# Altium PCB 191015 PCB (REV0-1).PcbDoc (part 2 of 2)
Units mm, origin at the board's own origin, x right, y up, seen from the top; angles counter-clockwise.
Board outline 152.5 x 105 mm, 4 copper layers (Top Copper, Signal Layer 1 (GND), Signal Layer 2 (PWR), Bottom Copper), stack 1.464 mm thick; 170 components, 139 nets, 634 pads, 350 vias.
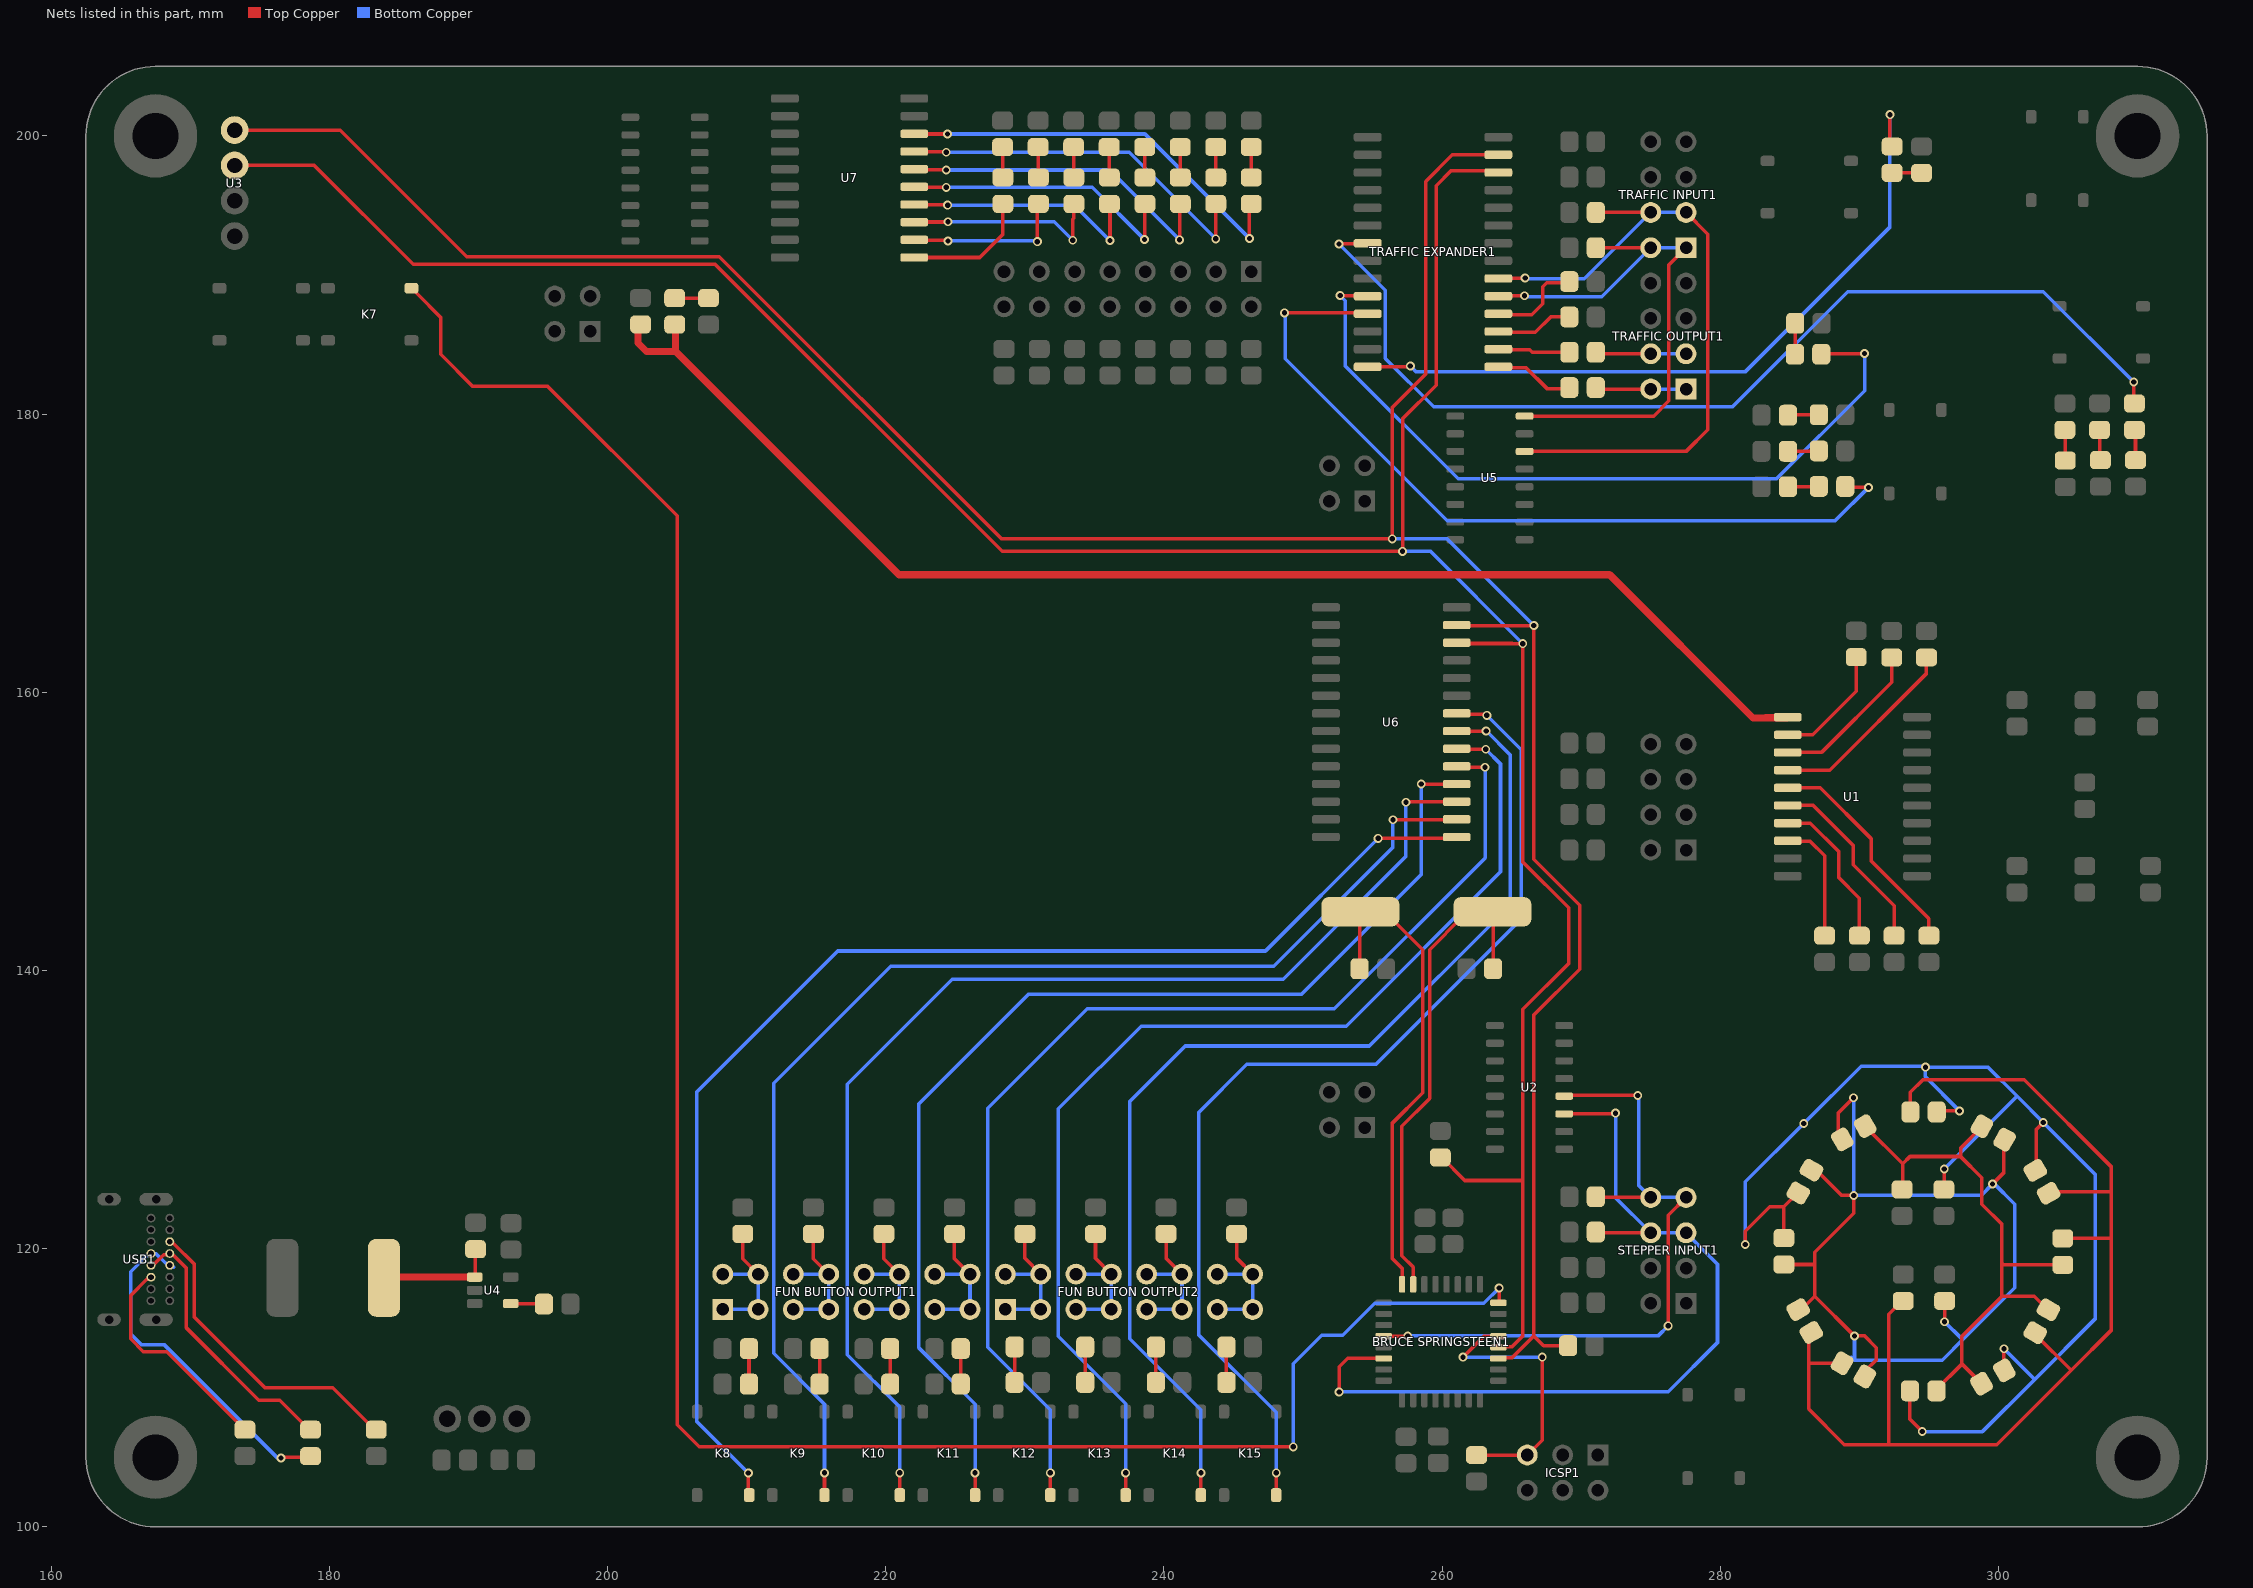
[diagram p4: the nets of this part, all layers, seen from the top]

## Via types
v1: diameter 0.635, hole 0.381, Top Copper to Bottom Copper, tented both sides, 335 vias
v2: diameter 0.635, hole 0.381, Top Copper to Bottom Copper, 15 vias

## Nets (pads, with @x,y where several pads share a name; then routed paths per layer and width w, separated by ;. In a path a pad name is that pad's centre, name@x,y a point inside that pad or via, vN(x,y) a via of type N, cw(c..) or ccw(c..) an arc to the next point about the centre after c; other vN are vias at no path point) (continued)
"NetBRUCE SPRINGSTEEN1_32": "BRUCE SPRINGSTEEN1.32" K7.4 | length 162
  Top Copper w0.254: K7.4@185.9,189.05 185.992,189.05 186.236,188.807 186.236,188.714 188,186.95 188,184.3 190.312,181.988 195.712,181.988 205,172.7 205,110.1 205,107.35 206.6,105.75 v1(249.3,105.75) ; 264.048,116.109 264.1,116.057 v1(264.1,117.175)
  Bottom Copper w0.254: v1(249.3,105.75) 249.3,111.725 251.35,113.775 252.85,113.775 255.15,116.075 263,116.075 v1(264.1,117.175)
NetC7_2: C7.2 F1.2 U4.1 | length 8.6
  Top Copper w0.254: U4.1@190.482,117.982 C7.2@190.482,119.93
  Top Copper w0.508: F1.2@183.925,117.9 183.975,117.95 U4.1@190.45,117.95 U4.1@190.482,117.982 ; C7.2@190.482,119.93 C7.2@190.514,119.962
NetC9_2: C9.2 U4.4 | length 2.4
  Top Copper w0.254: U4.4@193.04,116.05 195.39,116.05 C9.2@195.425,116.015
NetD9_K: D9.K R27.2 | length 2.2
  Top Copper w0.254: D9.K@309.774,178.866 309.851,178.789 R27.2@309.851,176.692
NetD10_K: D10.K R28.2 | length 2.2
  Top Copper w0.254: D10.K@307.274,178.866 307.274,176.745 R28.2@307.326,176.692
NetD11_K: D11.K R29.2 | length 2.2
  Top Copper w0.254: D11.K@304.774,178.866 304.801,178.839 R29.2@304.801,176.667
NetD12_K: D12.K R30.2 | length 2.2
  Top Copper w0.254: D12.K@285.362,184.305 285.375,184.318 285.375,186.518 R30.2@285.387,186.53
NetD13_K: D13.K R31.2 | length 2.2
  Top Copper w0.254: R31.2@284.863,174.774 287.056,174.774 D13.K@287.087,174.805
NetD14_K: D14.K R32.2 | length 2.2
  Top Copper w0.254: R32.2@284.863,177.324 287.056,177.324 D14.K@287.087,177.355
NetD15_K: D15.K R33.2 | length 2.2
  Top Copper w0.254: R33.2@284.863,179.924 284.894,179.955 D15.K@287.087,179.955
NetD16_K: D16.K R34.2 | length 2.1
  Top Copper w0.254: D16.K@292.349,197.341 R34.2@294.474,197.341
NetD17_K: D17.K R39.2 | length 2.5
  Top Copper w0.254: R39.2@244.492,110.383 D17.K@244.492,112.933
NetD18_K: D18.K R40.2 | length 2.5
  Top Copper w0.254: R40.2@239.418,110.383 D18.K@239.418,112.933
NetD19_K: D19.K R41.2 | length 2.5
  Top Copper w0.254: R41.2@234.344,110.383 D19.K@234.344,112.933
NetD20_K: D20.K R42.2 | length 2.5
  Top Copper w0.254: R42.2@229.269,110.383 D20.K@229.269,112.933
NetD21_K: D21.K R43.2 | length 2.5
  Top Copper w0.254: R43.2@225.394,110.264 D21.K@225.394,112.814
NetD22_K: D22.K R44.2 | length 2.5
  Top Copper w0.254: R44.2@220.32,110.264 D22.K@220.32,112.814
NetD23_K: D23.K R45.2 | length 2.5
  Top Copper w0.254: R45.2@215.245,110.264 D23.K@215.245,112.814
NetD24_K: D24.K R46.2 | length 2.5
  Top Copper w0.254: R46.2@210.171,110.264 D24.K@210.171,112.814
NetD25_K: D25.K R55.1 | length 2.2
  Top Copper w0.254: D25.K@228.402,199.201 228.402,197.038 R55.1@228.427,197.013
NetD26_K: D26.K R56.1 | length 2.2
  Top Copper w0.254: D26.K@230.956,199.201 230.956,197.034 R56.1@230.978,197.013
NetD27_K: D27.K R57.1 | length 2.2
  Top Copper w0.254: D27.K@233.511,199.201 233.511,197.031 R57.1@233.529,197.013
NetD28_K: D28.K R58.1 | length 2.2
  Top Copper w0.254: D28.K@236.065,199.201 236.065,197.027 R58.1@236.08,197.013
NetD29_K: D29.K R59.1 | length 2.2
  Top Copper w0.254: D29.K@238.62,199.201 238.631,199.19 R59.1@238.631,197.013
NetD30_K: D30.K R60.1 | length 2.2
  Top Copper w0.254: D30.K@241.174,199.201 241.174,197.02 R60.1@241.181,197.013
NetD31_K: D31.K R61.1 | length 2.2
  Top Copper w0.254: D31.K@243.729,199.201 243.729,197.016 R61.1@243.732,197.013
NetD32_K: D32.K R62.1 | length 2.2
  Top Copper w0.254: R62.1@246.283,197.013 D32.K@246.283,199.201
NetD33_A: D33.A D34.K D37.K D39.A D41.K D42.A R64.1 | length 97.1
  Top Copper w0.254: v1(281.8,120.3) 281.8,121.25 283.553,123.003 284.574,123.003 ; D42.A@284.574,120.762 284.574,123.003 ; D41.K@285.608,124.001 285.572,124.001 284.574,123.003 ; D33.A@293.638,109.774 293.638,107.737 v1(294.525,106.85) ; D39.A@295.562,129.826 295.636,129.9 v1(297.2,129.9) ; R64.1@296.074,124.262 296.1,124.288 v1(296.1,125.725) ; v1(300.4,112.8) 300.388,112.788 300.388,111.284 D34.K@300.425,111.246 ; D37.K@302.654,125.625 302.731,125.703 302.731,128.581 v1(303.225,129.075)
  Bottom Copper w0.254: v1(281.8,120.3) 281.8,124.8 v1(286,129) 290.125,133.125 294.675,133.125 v1(294.75,133.05) ; v1(294.525,106.85) 298.85,106.85 302.55,110.55 ; v1(296.1,125.725) 301.3,130.925 301.375,130.925 ; v1(297.2,129.9) 294.75,132.35 v1(294.75,133.05) ; v1(300.4,112.8) 302.55,110.65 302.55,110.55 ; v1(294.75,133.05) 299.25,133.05 301.375,130.925 ; 301.375,130.925 v1(303.225,129.075) 306.975,125.325 306.975,114.975 302.55,110.55
NetD33_K: D33.K D34.A D35.K D36.A D38.K D40.A R63.1 | length 43.1
  Top Copper w0.254: D40.A@290.42,128.804 290.47,128.754 290.47,128.75 293.12,126.1 ; R63.1@293.074,124.262 293.12,124.308 293.12,126.1 ; D33.K@295.538,109.774 295.538,109.874 297.375,111.711 ; D34.A@298.78,110.296 298.78,110.306 297.375,111.711 ; D38.K@298.801,128.792 298.801,128.755 297.275,127.229 297.275,126.625 ; D35.K@303.592,115.599 303.555,115.599 302.579,116.575 300.25,116.575 ; D36.A@304.626,118.838 300.362,118.838 300.25,118.95 ; 293.12,126.1 293.645,126.625 297.275,126.625 ; 297.275,126.625 298.8,125.1 298.8,123.2 300.25,121.75 300.25,118.95 ; 297.375,111.711 297.375,113.7 300.25,116.575 ; 300.25,116.575 300.25,118.95
NetD35_A: D35.A D36.K D37.A D39.K D43.K D44.A R65.1 | length 87.5
  Top Copper w0.254: D43.K@286.546,113.975 286.51,113.975 286.35,113.815 286.35,111.775 ; D44.A@288.754,111.758 288.737,111.775 286.35,111.775 ; 293.152,105.902 293.15,105.9 ; R65.1@293.152,116.238 293.052,116.238 292.1,115.286 292.1,105.925 292.125,105.9 ; D39.K@293.662,129.826 293.662,131.237 294.575,132.15 301.85,132.15 308.125,125.875 308.125,124.1 ; D35.A@302.642,113.954 302.642,113.833 305.225,111.25 ; D37.A@303.604,123.98 303.724,124.1 308.125,124.1 ; D36.K@304.626,120.738 308.112,120.738 308.125,120.725 ; 286.35,111.775 286.35,108.475 288.925,105.9 292.125,105.9 ; 292.125,105.9 293.15,105.9 ; 293.15,105.9 299.875,105.9 305.225,111.25 ; 305.225,111.25 308.125,114.15 308.125,120.725 ; 308.125,120.725 308.125,124.1
NetD38_A: D38.A D40.K D41.A D42.K D43.A D44.K R66.1 | length 76.4
  Top Copper w0.254: D42.K@284.574,118.862 286.787,118.862 ; D43.A@285.596,115.62 285.819,115.62 286.787,116.588 ; D41.A@286.558,125.646 286.742,125.829 288.746,123.825 v1(289.6,123.825) 289.6,122.55 286.787,119.737 286.787,118.862 ; D40.K@288.775,127.854 288.48,128.148 288.48,129.755 v1(289.575,130.85) ; D44.K@290.399,110.808 290.399,111.174 291.22,111.995 291.22,112.88 290.375,113.725 v1(289.65,113.725) 286.787,116.588 ; v1(296.125,114.75) R66.1@296.126,116.238 R66.1@296.126,116.238 ; v1(299.575,124.65) 300.396,125.471 300.396,127.792 D38.A@300.446,127.842 ; 286.787,116.588 286.787,118.862
  Bottom Copper w0.254: 289.425,112.175 289.625,111.975 ; v1(289.575,130.85) 289.6,130.825 v1(289.6,123.825) 298.75,123.825 v1(299.575,124.65) 299.645,124.72 301.175,123.19 301.175,117.2 297.512,113.537 ; v1(289.65,113.725) 289.65,112 289.625,111.975 ; v1(296.125,114.75) 297.338,113.537 297.512,113.537 ; 289.625,111.975 295.95,111.975 297.512,113.537
NetD45_A: D45.A R67.1 U1.11 | length 97.2
  Top Copper w0.508: R67.1@202.387,186.438 202.2,186.251 202.2,185.1 202.8,184.5 204.9,184.5 ; D45.A@204.826,186.438 204.9,186.364 204.9,184.5 ; U1.11@284.85,158.215 284.804,158.169 283.252,158.169 283.233,158.15 282.35,158.15 272.05,168.45 220.95,168.45 204.9,184.5
NetD45_K: D45.K R68.2 | length 2.4
  Top Copper w0.254: D45.K@204.826,188.338 R68.2@207.256,188.338
NetR7_2: R7.2 U1.12 | length 8.7
  Top Copper w0.254: U1.12@284.85,156.945 286.645,156.945 289.773,160.073 R7.2@289.773,162.524
NetR8_2: R8.2 U1.13 | length 11.3
  Top Copper w0.254: U1.13@284.85,155.675 287.275,155.675 292.325,160.725 R8.2@292.325,162.5
NetR9_2: R9.2 U1.14 | length 14
  Top Copper w0.254: U1.14@284.85,154.405 287.88,154.405 294.825,161.35 R9.2@294.825,162.5
NetR10_2: R10.2 U1.15 | length 16.2
  Top Copper w0.254: U1.15@284.85,153.135 287.19,153.135 290.841,149.484 290.841,147.894 295,143.734 R10.2@295,142.5
NetR11_2: R11.2 U1.16 | length 13.6
  Top Copper w0.254: U1.16@284.85,151.865 286.685,151.865 289.56,148.99 289.56,147.59 292.5,144.65 R11.2@292.5,142.5
NetR12_2: R12.2 U1.17 | length 11.2
  Top Copper w0.254: U1.17@284.85,150.595 286.48,150.595 288.519,148.556 288.519,146.681 290,145.2 R12.2@290,142.5
NetR13_2: R13.2 U1.18 | length 8.8
  Top Copper w0.254: U1.18@284.85,149.325 284.875,149.3 286.45,149.3 287.5,148.25 R13.2@287.5,142.5
NetR19_1: R19.1 USB1.A6 USB1.B6 | length 19.6
  Top Copper w0.254: USB1.B6@167.175,118.8 167.282,118.8 167.426,118.944 167.468,118.944 168.098,119.574 168.449,119.574 USB1.A6@168.525,119.65 168.632,119.65 168.776,119.506 168.817,119.506 169.725,118.598 169.725,114.3 174.925,109.1 176.436,109.1 178.549,106.987 R19.1@178.649,106.987
NetR19_2: R19.2 USB1.A7 USB1.B7 | length 25
  Top Copper w0.254: v1(176.525,104.95) 176.594,105.019 178.58,105.019 R19.2@178.649,105.087
  Bottom Copper w0.254: USB1.A7@168.632,118.8 USB1.A7@168.525,118.8 168.418,118.8 168.274,118.944 168.232,118.944 167.526,119.65 USB1.B7@167.175,119.65 167.068,119.65 166.924,119.506 166.883,119.506 165.71,118.333 165.71,113.865 166.5,113.075 168.151,113.075 176.276,104.95 v1(176.525,104.95) ; USB1.A7@168.776,118.656 168.817,118.656
NetR20_1: R20.1 USB1.A5 | length 22.7
  Top Copper w0.254: USB1.A5@168.525,120.5 168.632,120.5 168.776,120.356 168.817,120.356 170.3,118.873 170.3,115.074 175.374,110 180.255,110 183.268,106.987 R20.1@183.368,106.987
NetR22_1: R22.1 USB1.B5 | length 16.1
  Top Copper w0.254: USB1.B5@167.175,117.95 167.068,117.95 166.924,117.806 166.883,117.806 165.71,116.633 165.71,113.515 166.625,112.6 168.317,112.6 R22.1@173.93,106.987
NetR23_1: "TRAFFIC EXPANDER1.1" R23.1 | length 5.7
  Top Copper w0.254: 264.1,183.345 266.032,183.345 267.538,181.839 269.082,181.839 R23.1@269.149,181.906
NetR24_1: "TRAFFIC EXPANDER1.2" R24.1 | length 5.1
  Top Copper w0.254: 264.1,184.615 266.311,184.615 266.48,184.446 R24.1@269.149,184.446
NetR25_1: "TRAFFIC EXPANDER1.3" R25.1 | length 5.5
  Top Copper w0.254: 264.1,185.885 266.71,185.885 267.811,186.986 R25.1@269.149,186.986 R25.1@269.131,187.005
NetR26_1: "TRAFFIC EXPANDER1.4" R26.1 | length 6.7
  Top Copper w0.254: 264.1,187.155 266.455,187.155 267.225,187.925 267.225,189.145 267.534,189.455 269.078,189.455 R26.1@269.149,189.526
NetR55_2: R55.2 U7.11 | length 9.3
  Top Copper w0.254: U7.11@222.05,191.26 226.76,191.26 228.427,192.927 R55.2@228.427,195.113
NetR56_2: R56.2 U7.12 | length 11.6
  Top Copper w0.254: U7.12@222.05,192.53 222.09,192.49 224.435,192.49 v1(224.475,192.45) ; v1(230.9,192.4) 230.9,195.035 R56.2@230.978,195.113
  Bottom Copper w0.254: v1(224.475,192.45) 230.85,192.45 v1(230.9,192.4)
NetR57_2: R57.2 U7.13 | length 14.6
  Top Copper w0.254: U7.13@222.05,193.8 222.062,193.813 224.463,193.813 v1(224.475,193.825) ; v1(233.45,192.5) 233.45,194.003 233.529,194.082 R57.2@233.529,195.113
  Bottom Copper w0.254: v1(224.475,193.825) 232.125,193.825 v1(233.45,192.5)
NetR58_2: R58.2 U7.14 | length 17.8
  Top Copper w0.254: U7.14@222.05,195.07 222.073,195.047 224.428,195.047 v1(224.45,195.025) ; R58.2@236.08,195.113 236.125,195.067 v1(236.125,192.475)
  Bottom Copper w0.254: v1(224.45,195.025) 233.575,195.025 v1(236.125,192.475)
NetR59_2: R59.2 U7.15 | length 20.7
  Top Copper w0.254: U7.15@222.05,196.34 222.07,196.32 224.33,196.32 v1(224.35,196.3) ; v1(238.6,192.55) 238.631,192.581 R59.2@238.631,195.113
  Bottom Copper w0.254: v1(224.35,196.3) 234.85,196.3 v1(238.6,192.55)
NetR60_2: R60.2 U7.16 | length 23.8
  Top Copper w0.254: U7.16@222.05,197.61 222.08,197.58 224.32,197.58 v1(224.35,197.55) ; v1(241.125,192.525) 241.125,195.056 R60.2@241.181,195.113
  Bottom Copper w0.254: v1(224.35,197.55) 236.1,197.55 v1(241.125,192.525)
NetR61_2: R61.2 U7.17 | length 26.8
  Top Copper w0.254: U7.17@222.05,198.88 222.078,198.853 224.323,198.853 v1(224.35,198.825) ; v1(243.725,192.6) 243.725,195.106 R61.2@243.732,195.113
  Bottom Copper w0.254: v1(224.35,198.825) 237.5,198.825 v1(243.725,192.6)
NetR62_2: R62.2 U7.18 | length 29.8
  Top Copper w0.254: U7.18@222.05,200.15 222.063,200.137 v1(224.437,200.137) ; v1(246.15,192.625) 246.15,194.98 R62.2@246.283,195.113
  Bottom Copper w0.254: v1(224.437,200.137) 238.638,200.137 v1(246.15,192.625)
"NorthLight1 IN": "TRAFFIC EXPANDER1.5" "TRAFFIC INPUT1.1" "TRAFFIC INPUT1.2" R35.2 U5.16 | length 41.2
  Top Copper w0.254: 264.045,188.48 264.057,188.493 265.908,188.493 v1(265.92,188.505) ; U5.16@265.93,179.855 275.207,179.855 276.3,180.948 276.3,190.72 277.54,191.96 ; R35.2@271.049,191.96 275,191.96
  Bottom Copper w0.254: v1@265.975,188.45 271.49,188.45 275,191.96 277.54,191.96
"NorthLight2 IN": "TRAFFIC EXPANDER1.6" "TRAFFIC INPUT1.3" "TRAFFIC INPUT1.4" R36.2 U5.14 | length 49.5
  Top Copper w0.254: 264.045,189.75 264.06,189.765 265.955,189.765 v1(265.97,189.78) ; U5.14@265.93,177.315 277.54,177.315 279.1,178.875 279.1,192.94 277.54,194.5 ; R36.2@271.049,194.5 275,194.5
  Bottom Copper w0.254: v1@266.025,189.725 270.225,189.725 275,194.5 277.54,194.5
"PED EW": "TRAFFIC EXPANDER1.28" D16.A | length 52.4
  Top Copper w0.254: 254.645,183.4 257.665,183.4 v1(257.72,183.455) ; v1(292.2,201.529) 292.2,199.39 D16.A@292.349,199.241
  Bottom Copper w0.254: v1@257.775,183.4 258.143,183.032 281.782,183.032 292.2,193.45 v1(292.2,201.529)
"Ped EW (OUT)": "TRAFFIC OUTPUT1.3" "TRAFFIC OUTPUT1.4" R24.2 | length 6.5
  Top Copper w0.254: R24.2@271.049,184.446 271.156,184.34 275,184.34
  Bottom Copper w0.254: 275,184.34 277.54,184.34
"PED NS": "TRAFFIC EXPANDER1.24" D12.A | length 56.3
  Top Copper w0.254: v1(252.67,188.53) 252.695,188.505 254.62,188.505 254.645,188.48 ; D12.A@287.262,184.305 287.338,184.229 287.463,184.354 v1(290.375,184.354)
  Bottom Copper w0.254: v1@252.725,188.475 253.041,188.159 253.041,183.459 261.151,175.349 284.044,175.349 290.375,181.679 v1(290.375,184.354)
"Ped NS (OUT)": "TRAFFIC OUTPUT1.1" "TRAFFIC OUTPUT1.2" R23.2 | length 6.5
  Top Copper w0.254: R23.2@271.049,181.906 271.156,181.8 275,181.8
  Bottom Copper w0.254: 275,181.8 277.54,181.8
"Pin 1": "FUN BUTTON OUTPUT1.1" "FUN BUTTON OUTPUT1.2" "FUN BUTTON OUTPUT1.3" "FUN BUTTON OUTPUT1.4" R21.2 | length 11
  Top Copper w0.254: R21.2@209.724,121.062 209.724,119.266 210.82,118.17
  Bottom Copper w0.254: 208.28,115.63 210.82,115.63 210.82,118.17 208.28,118.17
"Pin 2": "FUN BUTTON OUTPUT1.5" "FUN BUTTON OUTPUT1.6" "FUN BUTTON OUTPUT1.7" "FUN BUTTON OUTPUT1.8" R69.2 | length 11
  Top Copper w0.254: R69.2@214.795,121.062 214.795,119.275 215.9,118.17
  Bottom Copper w0.254: 213.36,115.63 215.9,115.63 215.9,118.17 213.36,118.17
"Pin 3": "FUN BUTTON OUTPUT1.9" "FUN BUTTON OUTPUT1.10" "FUN BUTTON OUTPUT1.11" "FUN BUTTON OUTPUT1.12" R70.2 | length 11
  Top Copper w0.254: R70.2@219.867,121.062 219.867,119.283 220.98,118.17
  Bottom Copper w0.254: 218.44,115.63 220.98,115.63 220.98,118.17 218.44,118.17
"Pin 4": "FUN BUTTON OUTPUT1.13" "FUN BUTTON OUTPUT1.14" "FUN BUTTON OUTPUT1.15" "FUN BUTTON OUTPUT1.16" R72.2 | length 11
  Top Copper w0.254: R72.2@224.938,121.062 224.938,119.292 226.06,118.17
  Bottom Copper w0.254: 223.52,115.63 226.06,115.63 226.06,118.17 223.52,118.17
"Pin 5": "FUN BUTTON OUTPUT2.1" "FUN BUTTON OUTPUT2.2" "FUN BUTTON OUTPUT2.3" "FUN BUTTON OUTPUT2.4" R73.2 | length 11
  Top Copper w0.254: R73.2@230.01,121.062 230.01,119.3 231.14,118.17
  Bottom Copper w0.254: 228.6,115.63 231.14,115.63 231.14,118.17 228.6,118.17
"Pin 6": "FUN BUTTON OUTPUT2.5" "FUN BUTTON OUTPUT2.6" "FUN BUTTON OUTPUT2.7" "FUN BUTTON OUTPUT2.8" R74.2 | length 11
  Top Copper w0.254: R74.2@235.081,121.062 235.081,119.309 236.22,118.17
  Bottom Copper w0.254: 233.68,115.63 236.22,115.63 236.22,118.17 233.68,118.17
"Pin 7": "FUN BUTTON OUTPUT2.9" "FUN BUTTON OUTPUT2.10" "FUN BUTTON OUTPUT2.11" "FUN BUTTON OUTPUT2.12" R75.2 | length 11
  Top Copper w0.254: R75.2@240.152,121.062 240.152,119.318 241.3,118.17
  Bottom Copper w0.254: 238.76,115.63 241.3,115.63 241.3,118.17 238.76,118.17
"Pin 8": "FUN BUTTON OUTPUT2.13" "FUN BUTTON OUTPUT2.14" "FUN BUTTON OUTPUT2.15" "FUN BUTTON OUTPUT2.16" R76.2 | length 11
  Top Copper w0.254: R76.2@245.224,121.062 245.224,119.326 246.38,118.17
  Bottom Copper w0.254: 243.84,115.63 246.38,115.63 246.38,118.17 243.84,118.17
"RED EW": "TRAFFIC EXPANDER1.25" D13.A | length 58.7
  Top Copper w0.254: v1(248.67,187.28) 254.57,187.28 254.642,187.207 254.645,187.21 ; D13.A@288.987,174.805 289.066,174.727 v1(290.652,174.727)
  Bottom Copper w0.254: v1@248.725,187.225 248.725,183.975 260.375,172.325 288.251,172.325 v1(290.652,174.727)
"RED NS": "TRAFFIC EXPANDER1.21" D9.A | length 74.5
  Top Copper w0.254: v1(252.595,192.23) 252.625,192.26 254.615,192.26 254.645,192.29 ; v1(309.725,182.304) 309.725,180.815 D9.A@309.774,180.766
  Bottom Copper w0.254: v1@252.65,192.175 255.925,188.9 255.925,184 259.395,180.53 280.879,180.53 289.154,188.804 303.225,188.804 v1(309.725,182.304)
RESET: "BRUCE SPRINGSTEEN1.29" ICSP1.5 R18.1 | length 20.1
  Top Copper w0.254: v1(261.5,112.2) 263.009,113.709 264.048,113.709 264.093,113.754 ; R18.1@262.474,105.162 262.475,105.163 266.133,105.163 267.2,106.23 v1(267.2,112.2)
  Bottom Copper w0.254: v1(261.5,112.2) v1(267.2,112.2)
SCL: "BRUCE SPRINGSTEEN1.28" "TRAFFIC EXPANDER1.12" R1.2 U3.2 U6.12 | length 205.1
  Top Copper w0.254: U3.2@173.192,197.878 178.922,197.878 186.025,190.775 207.725,190.775 228.368,170.132 v1(257.158,170.132) 257.158,179.668 259.57,182.08 259.57,196.42 260.63,197.48 263.935,197.48 264.045,197.37 ; R1.2@259.874,126.562 259.974,126.562 261.636,124.9 265.8,124.9 ; U6.12@261.05,163.565 261.107,163.507 265.025,163.507 265.032,163.5 v1(265.8,163.5) 265.8,147.8 269.1,144.5 269.1,140.5 265.8,137.2 265.8,124.9 ; 264.048,112.909 264.09,112.951 265.029,112.951 265.8,113.722 265.8,124.9
  Bottom Copper w0.254: v1(257.158,170.132) 259.168,170.132 v1(265.8,163.5)
SDA: "BRUCE SPRINGSTEEN1.27" "TRAFFIC EXPANDER1.13" R2.2 U3.1 U6.13 | length 206.2
  Top Copper w0.254: U3.1@173.192,200.418 180.782,200.418 189.875,191.325 208.025,191.325 228.32,171.03 v1(256.42,171.03) 256.42,180.48 258.82,182.88 258.82,196.72 260.74,198.64 264.045,198.64 ; U6.13@261.05,164.835 261.07,164.855 261.125,164.8 v1(266.6,164.8) 266.6,148 269.9,144.7 269.9,140.1 266.6,136.8 266.6,113.722 ; 264.048,112.109 264.09,112.151 265.029,112.151 266.6,113.722 ; R2.2@269.062,113.026 267.296,113.026 266.6,113.722
  Bottom Copper w0.254: v1(256.42,171.03) 256.437,171.047 260.354,171.047 v1(266.6,164.8)
"Stepper A (IN)": "BRUCE SPRINGSTEEN1.12" "STEPPER INPUT1.7" "STEPPER INPUT1.8" R14.2 U2.12 | length 50.1
  Top Copper w0.254: 255.798,113.709 255.806,113.717 257.517,113.717 v1(257.525,113.725) ; U2.12@268.78,130.96 268.838,131.018 v1(274.067,131.018) ; R14.2@271.049,123.734 271.103,123.68 275,123.68 ; v1(276.25,114.45) 276.25,122.39 277.54,123.68
  Bottom Copper w0.254: v1(257.525,113.725) 275.525,113.725 v1(276.25,114.45) ; v1(274.067,131.018) 274.123,130.962 274.123,124.554 274.998,123.68 275,123.68 277.54,123.68
"Stepper B (IN)": "BRUCE SPRINGSTEEN1.14" "STEPPER INPUT1.5" "STEPPER INPUT1.6" R15.2 U2.11 | length 62.6
  Top Copper w0.254: v1(252.6,109.7) 252.6,111.5 253.217,112.117 255.79,112.117 255.798,112.109 ; U2.11@268.78,129.69 272.415,129.69 v1(272.47,129.745) ; R15.2@271.049,121.194 271.103,121.14 275,121.14
  Bottom Copper w0.254: v1(252.6,109.7) 276.25,109.7 279.8,113.25 279.8,118.88 277.54,121.14 275,121.14 272.47,123.67 v1(272.47,129.745)
"Switch 1": K8.4 U6.1 | length 92.8
  Top Copper w0.254: v1(210.125,103.875) 210.125,102.471 210.25,102.346 K8.4@210.187,102.283 K8.4@210.194,102.277 ; v1(255.4,149.5) 260.955,149.5 U6.1@261.05,149.595